# KiCad board hackrf-one.kicad_pcb (continued)
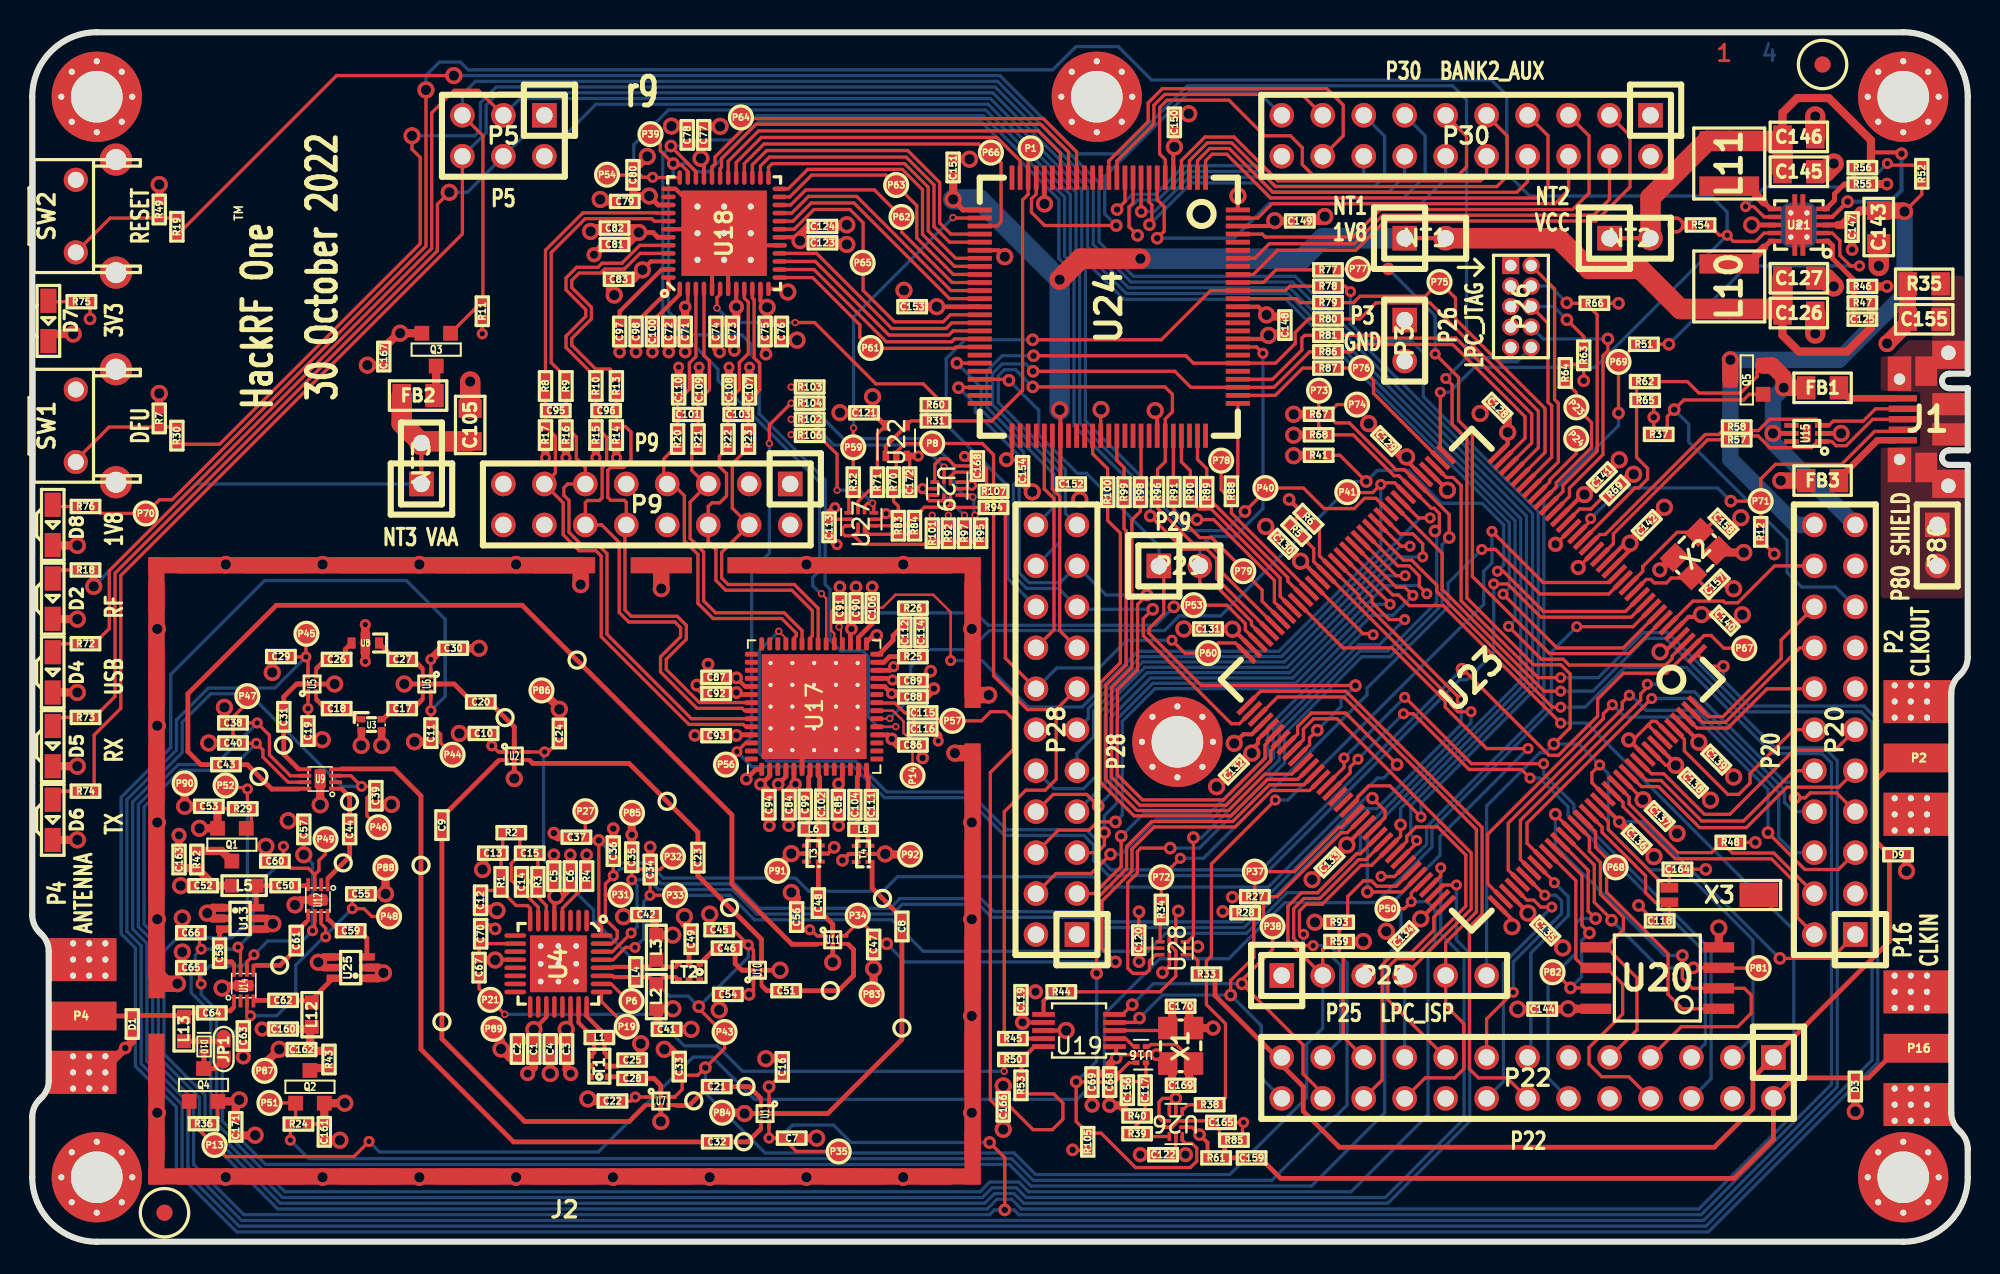
[diagram p0: board, top side]
## Routing (per net, layer and track width the routed paths; a pad name or vN(x,y) marks a point on that pad's centre or on a via; arc(x,y) is an arc through that point) (continued)
/Microcontroller, CPLD, USB, Power/RESET: length 183.7
  C1F w0.203: v1(97.18,29.57) 96.7,29.08 96.7,28.47 U23.128 ; v2(94.34,30.86) 95.35,31.88 95.35,35.2 94.77,35.78 93.08,35.78 88.94,39.92 88.94,49.79 88.03,50.7 88.03,53.14 v1(87.64,53.53) ; v3(26.14,72.31) 18.87,72.31 R19.1
  C4B w0.203: P25.6 90.17,27.03 93.47,30.32 93.8,30.32 v2(94.34,30.86) 95.88,30.86 v1(97.18,29.57) 97.71,29.03 97.71,25.58 100.23,23.06 102.34,23.06 106.68,18.72 106.68,12.7 P22.3 ; 88.93,54.82 88.93,70.82 88.06,71.68 71.61,71.68 67.39,67.46 64.85,67.46 59.99,72.31 v3(26.14,72.31) ; 88.93,54.82 v1(87.64,53.53) ; 88.93,54.82 90.79,54.82 91.04,54.57 92.05,54.57 P26.10
/Microcontroller, CPLD, USB, Power/RREF: length 3.3
  C1F w0.203: R69.1 97.43,46.22 96.64,45.43 95.94,45.43 U23.24
/Microcontroller, CPLD, USB, Power/RTC_ALARM: length 17.6
  C1F w0.203: P20.2 109.42,20.12 109.42,22.15 107.83,23.75 101.86,23.75 98.62,26.99 98.62,27.25 U23.129
/Microcontroller, CPLD, USB, Power/RTCX1: length 9.3
  C1F w0.203: C118.1 101.5,19.97 X3.2 100.62,21.05 100.03,21.64 100.03,22.69 97.33,25.39 97.33,25.72 U23.125
/Microcontroller, CPLD, USB, Power/RTCX2: length 8.1
  C1F w0.203: C164.1 101.5,23.07 X3.1 101.32,21.95 97.71,25.55 97.71,26.04 U23.126
/Microcontroller, CPLD, USB, Power/SD_CD: length 32.1
  C1F w0.203: v1(83.13,37.64) 83.07,37.71 82.5,37.71 U23.60 ; P28.3 65.84,21.59 67.51,23.27 v2(67.51,25.15)
  C4B w0.203: v1(83.13,37.64) 83.07,37.71 82.41,37.71 76.6,31.9 76.6,30.17 72.97,26.54 68.9,26.54 v2(67.51,25.15)
/Microcontroller, CPLD, USB, Power/SD_CLK: length 30
  C1F w0.203: v1(86.66,44.88) 85.94,44.88 U23.45
  C4B w0.203: P28.11 65.47,32.45 65.47,33.05 68.7,36.28 77.46,36.28 86.06,44.88 v1(86.66,44.88)
/Microcontroller, CPLD, USB, Power/SD_CMD: length 30.6
  C1F w0.203: v1(85.42,43.13) 84.86,43.13 U23.49
  C4B w0.203: P28.9 64.77,30.28 65.81,31.31 65.81,32.92 68.84,35.95 77.63,35.95 84.81,43.13 v1(85.42,43.13)
/Microcontroller, CPLD, USB, Power/SD_DAT0: length 32.6
  C1F w0.203: v1(85.12,41.3) 84.57,41.3 U23.52
  C4B w0.203: v1(85.12,41.3) 83.99,41.3 77.98,35.29 69.13,35.29 66.52,32.68 66.52,28.42 P28.7
/Microcontroller, CPLD, USB, Power/SD_DAT1: length 38.3
  C1F w0.203: v2(67.16,26.03) 66.04,26.03 65.53,25.53 63.63,25.53 P28.6 ; v1(85.6,40.08) 85.09,40.59 84.57,40.59 U23.53
  C4B w0.203: v1(85.6,40.08) 84.36,38.84 83.04,38.84 78.5,34.3 69.61,34.3 67.58,32.27 67.58,26.46 v2(67.16,26.03)
/Microcontroller, CPLD, USB, Power/SD_DAT2: length 34
  C1F w0.203: v2(66.47,25.37) 66.47,24.59 66.01,24.13 P28.5 ; v1(84.18,39.53) 84.18,39.57 U23.55
  C4B w0.203: v1(84.18,39.53) 83.22,39.53 78.33,34.63 69.47,34.63 67.23,32.39 67.23,27.17 66.47,26.42 v2(66.47,25.37)
/Microcontroller, CPLD, USB, Power/SD_DAT3: length 36.7
  C1F w0.203: P28.4 63.47,22.83 65.66,22.83 v2(66.85,24.03) ; v1(85.09,38.58) 84.12,38.58 83.07,39.63 83.07,39.97 U23.56
  C4B w0.203: v1(85.09,38.58) 83.54,37.03 82.23,37.03 76.96,31.75 76.96,30.02 73.12,26.18 69.67,26.18 67.51,24.03 v2(66.85,24.03)
/Microcontroller, CPLD, USB, Power/SD_POW: length 36.5
  C1F w0.203: v1(86.21,42.47) 86.21,43.28 85.6,43.89 84.81,43.89 U23.48
  C4B w0.203: P28.10 63.35,28.09 65.18,28.09 66.16,29.08 66.16,32.8 68.98,35.62 77.81,35.62 84.66,42.47 v1(86.21,42.47)
/Microcontroller, CPLD, USB, Power/SD_VOLT0: length 39.2
  C1F w0.203: v2(66.09,27.03) 65.38,27.74 63.3,27.74 P28.8 ; v1(86.46,40.18) 85.99,40.65 85.99,41.29 85.37,41.91 84.66,41.91 U23.51
  C4B w0.203: v1(86.46,40.18) 85.95,40.69 83.88,40.69 78.15,34.96 69.33,34.96 66.87,32.5 66.87,27.81 v2(66.09,27.03)
/Microcontroller, CPLD, USB, Power/SGPIO0: length 22.4
  C1F w0.203: U23.32 93.79,48.94 93.79,51.67 88.24,57.22 88.24,58.52 P75.1 86.37,58.63 82.32,58.63 81.93,58.24 R79.1
/Microcontroller, CPLD, USB, Power/SGPIO1: length 17.9
  C1F w0.203: U23.34 92.97,49.53 92.97,51.33 88.27,56.03 83.11,56.03 82.94,56.2 R81.1
/Microcontroller, CPLD, USB, Power/SGPIO2: length 8.6
  C1F w0.203: R89.1 72.99,45.8 73.23,45.8 77.85,41.18 77.85,40.95 U23.62
/Microcontroller, CPLD, USB, Power/SGPIO3: length 9.7
  C1F w0.203: U23.64 77.37,40.02 77.37,41.16 73.09,45.44 72.33,45.44 R90.1
/Microcontroller, CPLD, USB, Power/SGPIO4: length 31.2
  C1F w0.203: R98.1 68.71,45.29 68.17,44.75 68.17,35.61 66.92,34.36 66.92,28.8 68.66,27.07 74.03,27.07 76.78,29.82 76.78,30.45 77.4,31.07 U23.79
/Microcontroller, CPLD, USB, Power/SGPIO5: length 32.1
  C1F w0.203: U23.83 78.09,29 76.43,29 74.17,26.74 68.49,26.74 66.57,28.66 66.57,34.51 67.82,35.76 67.82,44.09 67.69,44.22 R99.1
/Microcontroller, CPLD, USB, Power/SGPIO6: length 33.3
  C1F w0.203: U23.84 78.46,28.67 76.57,28.67 74.31,26.41 68.31,26.41 66.21,28.51 66.21,34.65 67.46,35.9 67.46,43.94 66.67,44.73 R100.1
/Microcontroller, CPLD, USB, Power/SGPIO7: length 9.3
  C1F w0.203: U23.38 83.16,52.61 83.16,53.42 P76.1 80.87,54.18 R87.1
/Microcontroller, CPLD, USB, Power/SGPIO9: length 39.1
  C1F w0.203: R77.1 80.93,60.33 P77.1 v2(84.07,60.33) ; v1(86.98,55.05) 88.43,53.6 88.43,50.92 89.29,50.06 89.29,41.25 94.07,36.47 98.99,36.47 U23.7
  C4B w0.203: v2(84.07,60.33) 86.98,57.42 v1(86.98,55.05)
/Microcontroller, CPLD, USB, Power/SGPIO10: length 10.4
  C1F w0.203: U23.61 79.17,40.36 74.35,45.19 R88.1 73.71,46.63 P78.1
/Microcontroller, CPLD, USB, Power/SGPIO11: length 10.6
  C1F w0.203: U23.66 76.25,39.72 76.25,40.41 P79.1 75.08,41.7 73.12,43.66 72.39,43.66 70.78,45.27 R91.1
/Microcontroller, CPLD, USB, Power/SGPIO12: length 11.4
  C1F w0.203: R96.1 69.77,45.49 71.96,43.31 72.97,43.31 73.79,42.49 73.79,41.48 U23.67
/Microcontroller, CPLD, USB, Power/SGPIO14: length 20.1
  C1F w0.203: U23.33 93.38,49.24 93.38,51.5 86.66,58.22 83.31,58.22 82.31,57.22 R80.1
/Microcontroller, CPLD, USB, Power/SGPIO15: length 17
  C1F w0.203: R86.1 81.76,55.19 82.21,55.64 88.08,55.64 92.55,51.16 92.55,49.83 U23.35
/Microcontroller, CPLD, USB, Power/SPIFI_CIPO: length 28.7
  C1F w0.203: v2(94.43,26.51) 94.43,26.49 U23.122 ; v2(102.31,17.75) 102.31,16.33 102.92,15.72 U20.2 106.15,15.72 106.58,15.29 106.58,14.17 105.74,13.34 102.24,13.34 P22.7
  C4B w0.203: v2(94.43,26.51) 94.43,24.53 101.21,17.75 v2(102.31,17.75)
/Microcontroller, CPLD, USB, Power/SPIFI_COPI: length 19.5
  C1F w0.203: 97.56,18.26 U20.5 ; U20.5 97.71,18.26 ; U20.5 97.59,18.26 99.49,16.36 99.49,13.13 P22.9 ; 97.63,18.33 98.65,19.35 98.65,20.12 97.23,21.55 97.23,23.53 96.54,24.21 96.54,25.09 U23.123
/Microcontroller, CPLD, USB, Power/SPIFI_CS: length 17
  C1F w0.203: U20.1 102.31,14.45 101.42,15.34 101.42,17.86 97.61,21.67 97.61,22.52 98.17,23.09 P68.1 96.92,24.47 96.92,25.42 U23.124
/Microcontroller, CPLD, USB, Power/SPIFI_SCK: length 21.3
  C1F w0.203: P22.8 98.98,10.24 97.31,10.24 96.52,11.02 96.52,12.04 98.6,14.12 98.6,15.98 97.59,16.99 U20.6 96.26,16.99 95.7,17.55 95.7,22.39 U23.118
/Microcontroller, CPLD, USB, Power/SPIFI_SIO2: length 16.7
  C1F w0.203: v2(102.99,16.99) U20.3 104.59,16.97 P81.1 ; v2(97.92,19.94) 97.92,19.98 96.85,21.05 96.85,23.37 U23.121
  C4B w0.203: v2(97.92,19.94) 100.87,16.99 v2(102.99,16.99)
/Microcontroller, CPLD, USB, Power/SPIFI_SIO3: length 13.2
  C1F w0.203: U20.7 96.92,15.74 v2(95.37,15.74) 94.4,16.71 P82.1 ; v2(96.55,19.15) 96.08,19.61 96.08,22.72 U23.119
  C4B w0.203: v2(96.55,19.15) 96.06,18.66 96.06,16.43 v2(95.37,15.74)
/Microcontroller, CPLD, USB, Power/TCK: length 17.9
  C1F w0.203: v2(95.14,58.22) 95.17,58.19 R66.2 97.03,57.48 97.03,49.03 94.9,46.9 94.9,46.52 U23.27
  C4B w0.203: v2(95.14,58.22) 94.1,59.26 P26.4
/Microcontroller, CPLD, USB, Power/TDI: length 17.1
  C1F w0.203: v2(97.69,55.98) 97.69,55.25 97.38,54.94 97.38,48.81 95.31,46.73 95.31,46.21 U23.26
  C4B w0.203: P26.8 93.67,55.98 v2(97.69,55.98)
/Microcontroller, CPLD, USB, Power/TDO: length 16.8
  C1F w0.203: v2(95.15,57.18) 96.19,56.13 R63.1 ; P26.6 93.97,56.95 93.97,52.06 94.2,51.83 94.2,48.65 U23.31
  C4B w0.203: v2(95.15,57.18) 94.33,57.99 P26.6
/Microcontroller, CPLD, USB, Power/TMS: length 15.2
  C1F w0.203: P26.2 94.39,59.08 94.39,52.23 94.62,51.99 94.62,48.36 U23.30
/Microcontroller, CPLD, USB, Power/TRIGGER_EN: length 48.9
  C1F w0.203: v1(81.73,58.92) 81.4,59.25 R78.1 ; v1(86.1,26.34) 84.17,28.27 82.86,28.27 82.17,27.58 82.17,27.43 U23.91
  C4B w0.203: v1(86.1,26.34) 86.1,27.19 93.37,34.46 93.37,45.28 86.24,52.41 86.24,55.12 85.54,55.82 82.84,55.82 81.73,56.93 v1(81.73,58.92)
/Microcontroller, CPLD, USB, Power/TRST: length 4.5
  C1F w0.203: P24.1 95.73,48.89 94.08,47.23 94.08,47.11 U23.29
/Microcontroller, CPLD, USB, Power/U0_RXD: length 30.1
  C1F w0.203: P25.4 89.21,20.63 89.21,24.12 80.9,32.43 79.45,32.43 78.81,31.79 78.81,31.14 U23.81
  C4B w0.203: P25.4 P22.19
/Microcontroller, CPLD, USB, Power/U0_TXD: length 38
  C1F w0.203: P22.20 86.36,10.16 88.19,10.16 88.75,10.72 88.75,13.54 87.63,14.66 P25.5 87.63,18.55 89.54,20.46 89.54,25.56 81.32,33.78 77.21,33.78 U23.75
/Microcontroller, CPLD, USB, Power/VREGMODE: length 41.9
  C1F w0.203: R51.2 99.39,55.6 P69.1 v2(98.35,51.38) ; v1(83.63,22.66) 83.64,22.64 84.46,22.64 U23.101
  C4B w0.203: v2(98.35,51.38) 98.35,50.61 93.72,45.98 93.72,32.99 86.45,25.72 86.45,24.64 84.47,22.66 v1(83.63,22.66)
/Microcontroller, CPLD, USB, Power/WAKEUP: length 15.8
  C1F w0.203: U23.130 99,27.57 99,27.15 102.03,24.13 104.11,24.13 R48.2 105.41,24.1 107.98,24.1 P20.4
/Microcontroller, CPLD, USB, Power/XTAL1: length 5.6
  C1F w0.203: U23.12 100.06,41.07 100.35,41.07 100.56,40.85 101.32,40.85 101.62,41.16 102.79,41.16 X2.1 103.02,41.31 C157.1
/Microcontroller, CPLD, USB, Power/XTAL2: length 7.4
  C1F w0.203: U23.13 99.85,41.57 99.85,41.86 101.98,43.99 X2.3 103.56,43.99 C158.1
AD_CLK: length 17.8
  C1F w0.203: v4(47.3,57) 48.5,57 52.3,53.2 55.23,53.2 R60.1 ; U18.6 42.65,58.74 42.45,58.54 v4(42.45,57.9)
  C4B w0.203: v4(42.45,57.9) 43.35,57 v4(47.3,57)
AMP_BYPASS: length 124.2
  C1F w0.203: v1(13.75,17.8) 13.31,17.36 13.31,16.77 ; U23.104 86.19,22.3 85.5,21.62 v1(85.5,21.08) 85.06,20.65 P50.1 ; C57.1 v3(16.83,24) ; v1(10.47,15.98) 10.37,16.09 C65.2 ; v1(17.38,19.29) 17.51,19.42 17.51,20.42
  C4B w0.203: v3(16.83,24) 17.38,23.45 v1(17.38,19.29) 16.74,18.65 14.6,18.65 v1(13.75,17.8) 13.05,17.1 11,17.1 10.47,16.57 v1(10.47,15.98) 10.47,15.32 11.42,14.37 11.42,7.34 15.66,3.1 58.77,3.1 59.37,3.7 61.16,3.7 61.77,3.1 81.76,3.1 86.54,7.87 86.54,18.01 86.97,18.44 86.97,20.6 86.49,21.08 v1(85.5,21.08)
CLKIN: length 46.1
  C1F w0.293: 116.88,12 115.68,12 113.84,10.16 D3.2 109.22,10.16 P22.2 107.95,6.35 105.53,3.93 77.4,3.93 C159.1
CLKIN_DETECT: length 53.3
  C1F w0.203: U23.15 97.75,40.88 93.67,40.88 v1(90.5,44.05) ; v1(77.07,27.39) 73.11,23.43 73.11,17.72 72.8,17.41 72.8,14.7 73.98,13.52 73.98,8.95 R38.2
  C4B w0.203: v1(90.5,44.05) 90.5,42.09 89.99,41.58 89.99,39.53 77.85,27.39 v1(77.07,27.39)
CLKIN_EN: length 47.3
  C1F w0.203: U26.10 71.3,6.3 71.5,6.1 71.9,6.1 72.2,5.8 72.2,5 71.8,4.6 68.4,4.6 66.27,6.73 R105.1 64.72,7.45 v2(64.72,9.92) 64.74,9.9 67.13,9.9 67.35,10.12 67.35,10.45 68,11.1 U16.6 ; U23.85 78.84,28.34 76.71,28.34 74.43,26.06 69.4,26.06 67.85,24.51 67.85,23.13 65.99,21.27 v2(65.99,16.64)
  C4B w0.203: v2(65.99,16.64) 65.99,11.19 v2(64.72,9.92)
CLKOUT: length 68.1
  C1F w0.293: 116.88,30 115.67,30 114.27,28.6 114.27,24.87 D9.2 115.14,18.62 P22.1 106.68,10.16 106.68,8.25 104.29,5.86 81.04,5.86 78.8,8.1 78.8,9.62 77.47,10.95 P22.25 77.17,11.43 73.33,15.27 R33.1
CLKOUT_EN: length 46.5
  C1F w0.203: P73.1 79.76,52.76 79.76,50.57 R68.1 81.89,50.04 84.43,47.5 84.74,47.5 U23.43 86.76,45.48 86.92,45.48 87.24,45.16 87.24,44.34 v2(86.97,44.07) ; U28.5 71.62,18.6 71.99,18.97 v2(71.99,25.06)
  C4B w0.203: v2(71.99,25.06) 72,25.05 72.49,25.05 77.31,29.87 77.31,31.63 82.31,36.63 84.05,36.63 87.08,39.66 87.08,43.96 v2(86.97,44.07)
CS_AD: length 70.2
  C1F w0.203: P54.1 35.66,66.14 37.69,66.14 37.83,66.01 v1(38.46,66.01) 38.48,65.99 40.14,65.99 ; U23.65 77.01,39.67 77.01,41.01 73.24,44.78 v2(72.21,44.78)
  C4B w0.203: v1(38.46,66.01) 37.85,66.01 37.29,66.56 37.29,68.03 39.45,70.18 59.11,70.18 64.36,64.93 64.36,61.26 65.3,60.32 65.3,50.9 71.42,44.78 v2(72.21,44.78)
CS_XCVR: length 29.5
  C1F w0.127: U17.32 50.14,37.16 50.14,38.01 v4(50.02,38.13)
  C1F w0.203: U23.70 75.21,37.93 75.21,38.33 74.07,39.47 P53.1 71.91,39.37 v2(70.78,39.37)
  C4B w0.203: v4(50.02,38.13) 50.89,39 58.5,39 59.27,38.23 69.64,38.23 v2(70.78,39.37)
DA0: length 14.7
  C1F w0.203: 46.34,59.79 48.38,59.79 51.31,56.86 51.31,56.08 P61.1 51.99,55.4 57.18,55.4 57.26,55.48 U24.43
DA1: length 14.3
  C1F w0.203: 46.34,60.29 48.46,60.29 52.94,55.81 57,55.81 57.18,55.98 U24.42
DA2: length 14.4
  C1F w0.203: 46.34,60.79 48.55,60.79 53.12,56.22 56.83,56.22 57.09,56.48 U24.41
DA3: length 14.5
  C1F w0.203: 46.34,61.29 48.63,61.29 53.29,56.63 56.66,56.63 57.01,56.98 U24.40
DA4: length 18.5
  C1F w0.203: 46.34,62.79 47.24,62.79 48.46,64.01 50.7,64.01 51.51,63.2 51.51,60.73 P65.1 51.51,60.68 51.51,58.99 53.46,57.04 56.48,57.04 56.92,57.48 U24.39
DA5: length 15.3
  C1F w0.203: 46.34,63.29 47.17,63.29 48.29,64.41 50.94,64.41 56.87,58.48 U24.37
DA6: length 15.2
  C1F w0.203: U24.36 56.95,58.98 51.11,64.82 48.13,64.82 47.09,63.79 46.34,63.79
DA7: length 15.7
  C1F w0.203: U24.35 57.03,59.48 53.9,62.61 53.9,63.54 P62.1 52.21,65.23 47.96,65.23 47.02,64.29 46.34,64.29
DD0: length 16.7
  C1F w0.203: U24.34 57.1,59.98 54.84,62.25 54.84,64.25 P63.1 53.55,65.53 52.93,66.14 48.32,66.14 46.96,64.79 46.34,64.79
DD1: length 17
  C1F w0.203: U24.33 57.18,60.48 55.19,62.47 55.19,65.24 53.94,66.5 48.08,66.5 46.87,65.29 46.34,65.29
DD2: length 17.8
  C1F w0.203: U24.32 57.25,60.98 55.55,62.68 55.55,65.39 54.09,66.85 45.87,66.85 45.65,66.63 U18.25
DD3: length 18.2
  C1F w0.203: U18.26 45.15,66.7 45.7,67.26 54.18,67.26 55.91,65.54 55.91,62.96 56.88,61.98 U24.30
DD4: length 18.9
  C1F w0.203: U18.27 44.65,66.78 45.54,67.67 54.28,67.67 56.26,65.68 56.26,63.17 56.95,62.48 U24.29
DD5: length 22.9
  C1F w0.203: U18.28 44.15,66.85 45.37,68.07 58.67,68.07 59.21,67.54 P66.1 60.07,66.91 60.07,63.24 59.81,62.98 U24.28
DD6: length 20.8
  C1F w0.203: 43.64,65.99 43.64,66.92 45.2,68.48 59.81,68.48 61.25,67.04 U24.24
DD7: length 24.5
  C1F w0.203: 43.14,65.99 43.14,67 45.03,68.88 62.37,68.88 63.75,67.51 U24.19
DD8: length 25.9
  C1F w0.203: U24.18 64.25,67.58 62.54,69.29 44.86,69.29 42.74,67.17 42.74,66.64 42.65,66.55 U18.31
DD9: length 27.8
  C1F w0.203: U24.17 64.75,67.59 62.69,69.65 44.01,69.65 P64.1 43.94,68.87 42.33,67.26 42.33,66.85 42.15,66.66 U18.32
FSX2_CLK: length 50.7
  C1F w0.203: R70.2 53.57,47.8 U22.2 53.57,48.97 54.1,49.5 P8.1 58.9,49.5 59.6,48.8 59.6,35.1 61.7,33 63.48,33 ; 63.48,33 P28.13 ; 63.48,33 63.48,28.68 62.8,28 61.6,28 60.27,26.67 R45.1
GCK1: length 20.9
  C1F w0.203: P1.1 61.74,67.64 U24.23 61.74,64.94 61.4,64.6 61.4,52.8 59.5,50.9 R31.1
GCK2: length 20.1
  C1F w0.203: R32.1 P59.1 50.9,50.44 v4(50.92,50.46) ; U24.27 57.11,63.48 v4(57.08,63.51)
  C4B w0.203: v4(57.08,63.51) 50.92,57.35 v4(50.92,50.46)
HP: length 210.4
  C1F w0.152: 24.71,32.94 v1(24.71,32.93)
  C1F w0.203: P44.1 25.32,30.94 25.32,31.46 C11.2 v1(24.71,32.93) ; v2(104.85,35.68) 104.84,35.69 103.97,35.69 U23.1 ; 24.71,32.94 24.71,34.05
  C4B w0.203: v2(104.85,35.68) 104.85,34.83 106.46,33.22 113.55,33.22 114.42,32.35 114.42,11.12 103.92,0.61 12.68,0.61 8.94,4.35 8.94,8.35 6.4,10.89 6.4,18.21 5.51,19.1 5.51,27.56 8.59,30.63 8.59,35.18 14.41,41 23.2,41 25.6,38.6 25.6,33.82 v1(24.71,32.93)
LP: length 215.4
  C1F w0.203: C29.1 15.98,36.26 v1(16.97,36.26) ; v1(16.97,36.26) 17.1,36.13 U5.5 ; v1(16.97,36.26) 16.97,37.67 P45.1 ; v1(94.76,34.98) 93.36,34.98 88.59,39.75 88.59,46.9 88.09,47.4 87.67,47.4 U23.39
  C4B w0.203: v1(16.97,36.26) 15.04,34.33 10.92,34.33 8.94,32.36 8.94,30.48 5.87,27.41 5.87,19.24 6.75,18.36 6.75,11.04 9.29,8.5 9.29,4.5 12.83,0.97 103.77,0.97 114.07,11.26 114.07,32.2 113.41,32.86 106.31,32.86 101.4,37.77 99.89,37.77 97.1,34.98 v1(94.76,34.98)
MCU_CLK: length 41.1
  C1F w0.203: v1(71.18,23.78) P72.1 R34.1 ; v1(89.87,42.93) 90.72,42.93 93.48,40.17 97.74,40.17 U23.14
  C4B w0.203: v1(89.87,42.93) 87.78,40.84 87.78,39.36 82.75,34.33 82.75,33.91 72.62,23.78 v1(71.18,23.78)
MCU_CLK_EN: length 54.7
  C1F w0.203: P74.1 80.89,51.91 R67.1 80.82,50.77 81.66,50.77 84.56,47.88 85.06,47.88 U23.42 87.85,45.09 v2(87.85,43.67) ; v2(70.55,24.41) 68.73,24.41 68.52,24.2 68.52,22.86 67.92,22.26 67.92,16.96 68.24,16.64 69.04,16.64 69.27,16.87 69.27,17.41 69.66,17.8 69.93,17.8
  C4B w0.203: v2(70.55,24.41) 72.36,24.41 77.64,29.69 77.64,31.48 82.44,36.28 84.18,36.28 87.41,39.51 87.41,43.23 v2(87.85,43.67)
MIX_BYPASS: length 40.6
  C1F w0.203: U23.86 79.19,27.98 76.84,27.98 74.58,25.72 69.55,25.72 68.18,24.35 68.18,22.99 66.32,21.13 66.32,18.19 v2(67.16,17.35) ; v2(52.98,18.48) 52.79,18.48 52.3,18.97 C47.2 52.17,19.07 51.18,20.06 P34.1 51.18,19.78 50.37,18.97 U11.5
  C4B w0.203: v2(67.16,17.35) 54.11,17.35 v2(52.98,18.48)
MIX_CLK: length 36.2
  C1F w0.203: v4(60.26,10.57) 60.27,10.58 R50.1 ; v4(29.3,14.1) P21.1 27.7,15.7 C67.1
  C4B w0.203: v4(29.3,14.1) 38.48,14.1 40.43,12.15 42.46,12.15 44.04,10.57 v4(60.26,10.57)
MIXER_ENX: length 84.3
  C1F w0.203: v1(37.13,19.15) 37.13,19.14 35.98,17.99 U4.30 ; R6.2 79.81,44.15 79.81,42.53 U23.57 82.25,40.09 82.25,39.95 v1(88.6,33.6) ; P32.1 38.93,23.08 37.28,23.08 37.17,23.2 C35.1 v1(37.17,22.44)
  C4B w0.203: v1(37.13,19.15) 37.5,19.51 37.5,22.11 v1(37.17,22.44) 38.23,22.44 38.84,21.84 43.41,21.84 44.93,20.32 53.34,20.32 53.94,20.92 58.67,20.92 59.48,20.12 65.68,20.12 66.32,19.48 75.13,19.48 82.5,26.85 83.36,26.85 88.6,32.08 v1(88.6,33.6)
MIXER_RESETX: length 83.8
  C1F w0.203: v1(37.37,18.25) 36.78,18.25 36.01,17.49 U4.29 ; C34.1 38.31,21.49 v1(38.3,21.48) 38.3,21.49 P33.1 ; v1(89.2,32.87) 88.39,32.87 87.96,33.3 87.96,33.67 U23.58 79.45,42.18 79.45,42.98 R5.2
  C4B w0.203: v1(89.2,32.87) 89.2,32.19 82.35,25.33 82.35,24.26 79.73,21.64 77.79,21.64 75.28,19.13 70.28,19.13 69.16,18.01 55.24,18.01 53.28,19.96 44.78,19.96 43.26,21.48 v1(38.3,21.48) 37.9,21.09 37.9,18.79 v1(37.37,18.25)
MIXER_SCLK: length 62.4
  C1F w0.203: 35.53,21.51 35.53,20 36.27,19.27 36.27,18.82 35.94,18.49 U4.31 ; 35.53,21.51 35.53,22.19 36.02,22.68 v1(36.02,22.7) C36.1 ; 35.53,21.51 P31.1 ; v2(83.08,27.51) 83.87,26.72 83.87,26.3 U23.95
  C4B w0.203: v2(83.08,27.51) 82.66,27.51 74.99,19.84 66.47,19.84 65.83,20.47 59.62,20.47 58.82,21.28 53.79,21.28 53.19,20.68 45.07,20.68 43.56,22.19 38.98,22.19 38.04,23.14 36.47,23.14 v1(36.02,22.7)
MIXER_SDATA: length 72.4
  C1F w0.203: U4.32 35.3,19.57 35.13,19.74 v2(35.13,24.89) 34.46,24.89 C37.1 34.29,25.1 P27.1 ; v2(84.62,29.59) 81.42,32.79 79.3,32.79 78.46,31.94 78.46,31.49 U23.80
  C4B w0.203: v2(35.13,24.89) 36.53,23.5 38.19,23.5 39.13,22.55 47.33,22.55 48.14,21.74 52.74,21.74 53.64,22.63 65.8,22.63 66.44,22 76.64,22 83.4,28.75 83.78,28.75 v2(84.62,29.59)
RSSI: length 85
  C1F w0.127: v4(46.28,37.85) 46.72,37.41 U17.39
  C1F w0.203: v2(88.65,35.51) 88.7,35.51 94.04,30.16 94.63,30.16 97.05,32.59 97.05,33.65 98.65,35.26 101.31,35.26 U23.2 103.65,37.59 104.09,37.59 104.88,36.8 P67.1
  C4B w0.203: v2(88.65,35.51) 76.2,23.06 66.88,23.06 66.17,23.77 66.17,24.73 65.35,25.55 60.41,25.55 58.07,27.89 52.97,27.89 51.05,29.81 45.57,29.81 45.08,30.3 45.08,36.65 v4(46.28,37.85)
RX: length 105
  C1F w0.152: 31.76,30.37 v1(31.77,30.38)
  C1F w0.203: R59.2 80.01,18.14 P25.2 77.85,18.67 77.85,20.8 78.69,21.64 79.68,21.64 82.09,24.05 82.34,24.05 U23.96 ; U7.5 39.83,8.98 40.29,9.44 40.29,10.15 ; v1(31.77,30.38) 31.97,30.38 32.58,30.99 C24.2 ; v2(41.33,14.58) 41.33,14.47 42.79,13 P43.1 42.93,11.99 v2(41.73,10.79) 41.26,10.33 C33.1 ; 31.76,30.37 30.42,30.37 ; U10.5 44.71,18.09 v1(44.39,18.41) 43.45,19.35 C45.2
  C4B w0.203: v2(41.73,10.79) 41.73,9.21 45.44,5.51 60.87,5.51 62.21,4.17 74.24,4.17 79.01,8.93 79.01,12.25 80.01,13.25 P25.2 ; v1(44.39,18.41) 44.39,17.65 v2(41.33,14.58) 40.67,15.23 39.51,15.23 34.8,19.94 34.8,20.58 31.7,23.68 31.7,30.31 v1(31.77,30.38)